# Altium PCB PCB_v2.PcbDoc (part 1 of 8) (continued)
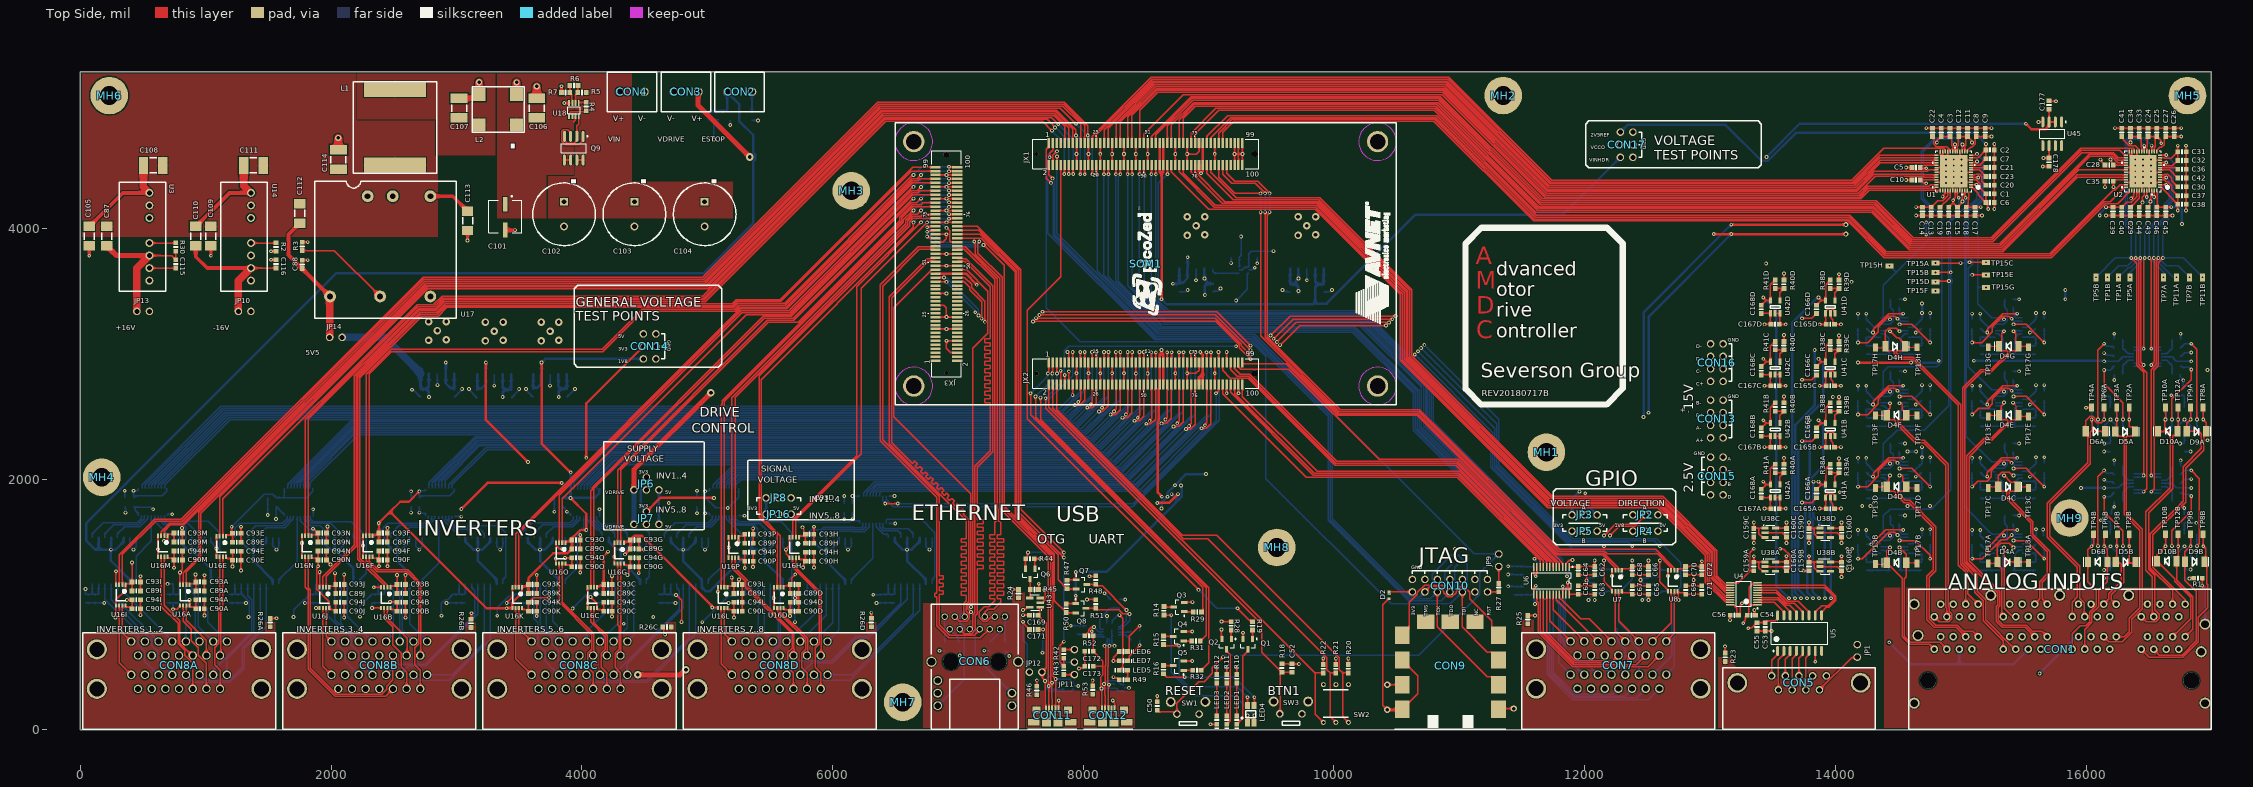
[diagram p0: Top Side view]
## Components (designator, comment, footprint, x,y, rotation, side; value= is the part's Value field where it differs from the comment) (continued)
C58 "Capacitor" 0603-CAP 7015,665.43 r90 bottom value=0.1uF
C59 "Capacitor" 0603-CAP 7255,665.43 r90 bottom value=0.1uF
C60 "Capacitor" 0603-CAP 7375,665.43 r90 bottom value=0.1uF
C61 "Capacitor" 0603-CAP 11950,1115 r90 top value=1uF
C62 "Capacitor" 0603-CAP 12080,1270 r270 top value=1uF
C63 "Capacitor" 0603-CAP 12080,1115 r90 top value=100nF
C64 "Capacitor" 0603-CAP 11950,1270 r270 top value=100nF
C65 "Capacitor" 0603-CAP 12510,1115 r90 top value=1uF
C66 "Capacitor" 0603-CAP 12510,1270 r270 top value=1uF
C67 "Capacitor" 0603-CAP 12380,1115 r90 top value=100nF
C68 "Capacitor" 0603-CAP 12380,1270 r270 top value=100nF
C69 "Capacitor" 0603-CAP 12805.59,1115 r90 top value=1uF
C70 "Capacitor" 0603-CAP 12805,1270 r270 top value=1uF
C71 "Capacitor" 0603-CAP 12935,1115 r90 top value=100nF
C72 "Capacitor" 0603-CAP 12935,1270 r270 top value=100nF
C73 "Capacitor" 0603-CAP 11515,1110 r90 bottom value=1uF
C74 "Capacitor" 0603-CAP 11515,1270 r270 bottom value=1uF
C75 "Capacitor" 0603-CAP 11440,1110 r90 bottom value=100nF
C76 "Capacitor" 0603-CAP 11440,1270 r270 bottom value=100nF
C77 "Capacitor" 0603-CAP 12155,1125 r90 bottom value=1uF
C78 "Capacitor" 0603-CAP 12155,1260 r270 bottom value=1uF
C79 "Capacitor" 0603-CAP 12085,1125 r90 bottom value=100nF
C80 "Capacitor" 0603-CAP 12085,1260 r270 bottom value=100nF
C81 "Capacitor" 0603-CAP 12520,1120 r90 bottom value=1uF
C82 "Capacitor" 0603-CAP 12600,1255 r270 bottom value=1uF
C83 "Capacitor" 0603-CAP 12600,1125 r90 bottom value=100nF
C84 "Capacitor" 0603-CAP 12520,1255 r270 bottom value=100nF
C85 "Capacitor" 0603-CAP 9353.11,3771.54 r0 bottom value=1uF
C86 "Capacitor" 0603-CAP 9213.11,3771.54 r180 bottom value=1uF
C87 "Capacitor" 1808-CAP 210,3938.53 r270 top value="1000pF, 2kV"
C88 "Capacitor" 0603-CAP 1768.28,3713.52 r270 top value=10uF
C89A "Capacitor" 0603-CAP 955,1108.33 r0 top (schematic designator C89)
C89B "Capacitor" 0603-CAP 2559.24,1088.33 r0 top (schematic designator C89)
C89C "Capacitor" 0603-CAP 4207.15,1088.33 r0 top (schematic designator C89)
C89D "Capacitor" 0603-CAP 5695,1088.33 r0 top (schematic designator C89)
C89E "Capacitor" 0603-CAP 1246.77,1496.23 r0 top (schematic designator C89)
C89F "Capacitor" 0603-CAP 2415,1498.33 r0 top (schematic designator C89)
C89G "Capacitor" 0603-CAP 4420.54,1443.33 r0 top (schematic designator C89)
C89H "Capacitor" 0603-CAP 5817.54,1487.89 r0 top (schematic designator C89)
C89I "Capacitor" 0603-CAP 445,1108.33 r0 top (schematic designator C89)
C89J "Capacitor" 0603-CAP 2070,1088.33 r0 top (schematic designator C89)
C89K "Capacitor" 0603-CAP 3607.07,1088.33 r0 top (schematic designator C89)
C89L "Capacitor" 0603-CAP 5246.68,1088.33 r0 top (schematic designator C89)
C89M "Capacitor" 0603-CAP 780,1498.33 r0 top (schematic designator C89)
C89N "Capacitor" 0603-CAP 1928.88,1498.33 r0 top (schematic designator C89)
C89O "Capacitor" 0603-CAP 3954.02,1443.33 r0 top (schematic designator C89)
C89P "Capacitor" 0603-CAP 5333.18,1487.89 r0 top (schematic designator C89)
C90A "Capacitor" 0603-CAP 955,965 r0 top (schematic designator C90)
C90B "Capacitor" 0603-CAP 2559.24,945 r0 top (schematic designator C90)
C90C "Capacitor" 0603-CAP 4207.15,945 r0 top (schematic designator C90)
C90D "Capacitor" 0603-CAP 5695,945 r0 top (schematic designator C90)
C90E "Capacitor" 0603-CAP 1246.77,1352.89 r0 top (schematic designator C90)
C90F "Capacitor" 0603-CAP 2415,1355 r0 top (schematic designator C90)
C90G "Capacitor" 0603-CAP 4420.54,1300 r0 top (schematic designator C90)
C90H "Capacitor" 0603-CAP 5817.54,1344.56 r0 top (schematic designator C90)
C90I "Capacitor" 0603-CAP 445,965 r0 top (schematic designator C90)
C90J "Capacitor" 0603-CAP 2070,945 r0 top (schematic designator C90)
C90K "Capacitor" 0603-CAP 3607.07,945 r0 top (schematic designator C90)
C90L "Capacitor" 0603-CAP 5246.68,945 r0 top (schematic designator C90)
C90M "Capacitor" 0603-CAP 780,1355 r0 top (schematic designator C90)
C90N "Capacitor" 0603-CAP 1928.88,1355 r0 top (schematic designator C90)
C90O "Capacitor" 0603-CAP 3954.02,1300 r0 top (schematic designator C90)
C90P "Capacitor" 0603-CAP 5333.18,1344.56 r0 top (schematic designator C90)
C91A "Capacitor" 0603-CAP 6124.98,1734.96 r180 bottom value=100nF (schematic designator C91)
C91B "Capacitor" 0603-CAP 4951.91,1782.6 r180 bottom value=100nF (schematic designator C91)
C91C "Capacitor" 0603-CAP 3813.84,1782.6 r180 bottom value=100nF (schematic designator C91)
C91D "Capacitor" 0603-CAP 2670.77,1782.6 r180 bottom value=100nF (schematic designator C91)
C91E "Capacitor" 0603-CAP 1527.7,1782.6 r180 bottom value=100nF (schematic designator C91)
C91F "Capacitor" 0603-CAP 389.63,1782.6 r180 bottom value=100nF (schematic designator C91)
C92A "Capacitor" 0603-CAP 6124.98,1804.96 r180 bottom value=100nF (schematic designator C92)
C92B "Capacitor" 0603-CAP 4951.91,1852.6 r180 bottom value=100nF (schematic designator C92)
C92C "Capacitor" 0603-CAP 3813.84,1852.6 r180 bottom value=100nF (schematic designator C92)
C92D "Capacitor" 0603-CAP 2670.77,1852.6 r180 bottom value=100nF (schematic designator C92)
C92E "Capacitor" 0603-CAP 1527.7,1852.6 r180 bottom value=100nF (schematic designator C92)
C92F "Capacitor" 0603-CAP 389.63,1852.6 r180 bottom value=100nF (schematic designator C92)
C93A "Capacitor" 0603-CAP 955,1180 r0 top (schematic designator C93)
C93B "Capacitor" 0603-CAP 2559.24,1160 r0 top (schematic designator C93)
C93C "Capacitor" 0603-CAP 4207.15,1160 r0 top (schematic designator C93)
C93D "Capacitor" 0603-CAP 5695,1160 r0 top (schematic designator C93)
C93E "Capacitor" 0603-CAP 1246.77,1567.89 r0 top (schematic designator C93)
C93F "Capacitor" 0603-CAP 2415,1570 r0 top (schematic designator C93)
C93G "Capacitor" 0603-CAP 4420.54,1515 r0 top (schematic designator C93)
C93H "Capacitor" 0603-CAP 5817.54,1559.56 r0 top (schematic designator C93)
C93I "Capacitor" 0603-CAP 445,1180 r0 top (schematic designator C93)
C93J "Capacitor" 0603-CAP 2070,1160 r0 top (schematic designator C93)
C93K "Capacitor" 0603-CAP 3607.07,1160 r0 top (schematic designator C93)
C93L "Capacitor" 0603-CAP 5246.68,1160 r0 top (schematic designator C93)
C93M "Capacitor" 0603-CAP 780,1570 r0 top (schematic designator C93)
C93N "Capacitor" 0603-CAP 1928.88,1570 r0 top (schematic designator C93)
C93O "Capacitor" 0603-CAP 3954.02,1515 r0 top (schematic designator C93)
C93P "Capacitor" 0603-CAP 5333.18,1559.56 r0 top (schematic designator C93)
C94A "Capacitor" 0603-CAP 955,1036.67 r0 top (schematic designator C94)
C94B "Capacitor" 0603-CAP 2559.24,1016.67 r0 top (schematic designator C94)
C94C "Capacitor" 0603-CAP 4207.15,1016.67 r0 top (schematic designator C94)
C94D "Capacitor" 0603-CAP 5695,1016.67 r0 top (schematic designator C94)
C94E "Capacitor" 0603-CAP 1246.77,1424.56 r0 top (schematic designator C94)
C94F "Capacitor" 0603-CAP 2415,1426.67 r0 top (schematic designator C94)
C94G "Capacitor" 0603-CAP 4420.54,1371.67 r0 top (schematic designator C94)
C94H "Capacitor" 0603-CAP 5817.54,1416.23 r0 top (schematic designator C94)
C94I "Capacitor" 0603-CAP 445,1036.67 r0 top (schematic designator C94)
C94J "Capacitor" 0603-CAP 2070,1016.67 r0 top (schematic designator C94)
C94K "Capacitor" 0603-CAP 3607.07,1016.67 r0 top (schematic designator C94)
C94L "Capacitor" 0603-CAP 5246.68,1016.67 r0 top (schematic designator C94)
C94M "Capacitor" 0603-CAP 780,1426.67 r0 top (schematic designator C94)
C94N "Capacitor" 0603-CAP 1928.88,1426.67 r0 top (schematic designator C94)
C94O "Capacitor" 0603-CAP 3954.02,1371.67 r0 top (schematic designator C94)
C94P "Capacitor" 0603-CAP 5333.18,1416.23 r0 top (schematic designator C94)
C95A "Capacitor" 0603-CAP 5748.31,1046.3 r270 bottom value=1uF (schematic designator C95)
C95B "Capacitor" 0603-CAP 4610,1046.3 r270 bottom value=1uF (schematic designator C95)
C95C "Capacitor" 0603-CAP 3470,1046.3 r270 bottom value=1uF (schematic designator C95)
C95D "Capacitor" 0603-CAP 2325.38,1046.3 r270 bottom value=1uF (schematic designator C95)
C95E "Capacitor" 0603-CAP 1184.02,1046.3 r270 bottom value=1uF (schematic designator C95)
C95F "Capacitor" 0603-CAP 40,1046.3 r270 bottom value=1uF (schematic designator C95)
C96A "Capacitor" 0603-CAP 6398.31,1046.3 r270 bottom value=1uF (schematic designator C96)
C96B "Capacitor" 0603-CAP 5243.26,1046.3 r270 bottom value=1uF (schematic designator C96)
C96C "Capacitor" 0603-CAP 4115.67,1046.3 r270 bottom value=1uF (schematic designator C96)
C96D "Capacitor" 0603-CAP 2970,1046.3 r270 bottom value=1uF (schematic designator C96)
C96E "Capacitor" 0603-CAP 1830.67,1046.3 r270 bottom value=1uF (schematic designator C96)
C96F "Capacitor" 0603-CAP 690,1046.3 r270 bottom value=1uF (schematic designator C96)
C97A "Capacitor" 0603-CAP 5799.98,1046.3 r270 bottom value=100nF (schematic designator C97)
C97B "Capacitor" 0603-CAP 4658.45,1046.3 r270 bottom value=100nF (schematic designator C97)
C97C "Capacitor" 0603-CAP 3516.91,1046.3 r270 bottom value=100nF (schematic designator C97)
C97D "Capacitor" 0603-CAP 2375.38,1046.3 r270 bottom value=100nF (schematic designator C97)
C97E "Capacitor" 0603-CAP 1232.7,1046.3 r270 bottom value=100nF (schematic designator C97)
C97F "Capacitor" 0603-CAP 140,1046.3 r270 bottom value=100nF (schematic designator C97)
C98A "Capacitor" 0603-CAP 6444.98,1046.3 r270 bottom value=100nF (schematic designator C98)
C98B "Capacitor" 0603-CAP 5298.26,1046.3 r270 bottom value=100nF (schematic designator C98)
C98C "Capacitor" 0603-CAP 4163.84,1046.3 r270 bottom value=100nF (schematic designator C98)
C98D "Capacitor" 0603-CAP 3020.38,1046.3 r270 bottom value=100nF (schematic designator C98)
C98E "Capacitor" 0603-CAP 1877.7,1046.3 r270 bottom value=100nF (schematic designator C98)
C98F "Capacitor" 0603-CAP 738.31,1046.3 r270 bottom value=100nF (schematic designator C98)
C99A "Capacitor" 0603-CAP 5849.98,1046.3 r270 bottom value=100nF (schematic designator C99)
C99B "Capacitor" 0603-CAP 4708.45,1046.3 r270 bottom value=100nF (schematic designator C99)
C99C "Capacitor" 0603-CAP 3566.91,1046.3 r270 bottom value=100nF (schematic designator C99)
C99D "Capacitor" 0603-CAP 2425.38,1046.3 r270 bottom value=100nF (schematic designator C99)
C99E "Capacitor" 0603-CAP 1282.7,1046.3 r270 bottom value=100nF (schematic designator C99)
C99F "Capacitor" 0603-CAP 90,1046.3 r270 bottom value=100nF (schematic designator C99)
C100A "Capacitor" 0603-CAP 6494.98,1046.3 r270 bottom value=100nF (schematic designator C100)
C100B "Capacitor" 0603-CAP 5353.26,1046.3 r270 bottom value=100nF (schematic designator C100)
C100C "Capacitor" 0603-CAP 4213.84,1046.3 r270 bottom value=100nF (schematic designator C100)
C100D "Capacitor" 0603-CAP 3070,1046.3 r270 bottom value=100nF (schematic designator C100)
C100E "Capacitor" 0603-CAP 1927.7,1046.3 r270 bottom value=100nF (schematic designator C100)
C100F "Capacitor" 0603-CAP 790,1046.3 r270 bottom value=100nF (schematic designator C100)
C101 "Cap Pol1" "CAP - UWT1V101MCL1GS" 3518.85,4226.17 r270 top
C102 "Cap Pol1" "CAP - UVR1H102MHD1TO" 3857.67,4213.07 r270 top
C103 "Cap Pol1" "CAP - UVR1H102MHD1TO" 4418.81,4213.07 r270 top
C104 "Cap Pol1" "CAP - UVR1H102MHD1TO" 4979.96,4213.07 r270 top
C105 "Capacitor" 1808-CAP 70,3938.53 r270 top value="1000pF, 2kV"
C106 "Capacitor" 1812-CAP 3640,4960.47 r270 top value="6.8uF, 50V"
C107 "Capacitor" 1812-CAP 3020.38,4960.47 r270 top value="6.8uF, 50V"
C108 "Capacitor" 1812-CAP 580,4502.65 r0 top value="6.8uF, 50V"
C109 "Capacitor" 1808-CAP 1040,3938.53 r270 top value="1000pF, 2kV"
C110 "Capacitor" 1808-CAP 920,3938.53 r270 top value="1000pF, 2kV"
C111 "Capacitor" 1812-CAP 1380,4502.65 r0 top value="6.8uF, 50V"
C112 "Capacitor" 1808-CAP 1750,4120 r270 top value="1000pF, 2kV"
C113 "Capacitor" 1808-CAP 3088.08,4061.28 r270 top value="1000pF, 2kV"
C114 "Capacitor" 1812-CAP 2056.83,4549.52 r270 top value="6.8uF, 50V"
C115 "Capacitor" 0603-CAP 760,3717.28 r90 top value=10uF
C116 "Capacitor" 0603-CAP 1560,3717.28 r90 top value=10uF
C157A "Capacitor" 0603-CAP 3880,2686.53 r270 bottom value=10uF (schematic designator C157)
C157B "Capacitor" 0603-CAP 9034.02,3525 r270 bottom value=10uF (schematic designator C157)
C158A "Capacitor" 0603-CAP 3611.97,2686.53 r270 bottom value=10uF (schematic designator C158)
C158B "Capacitor" 0603-CAP 8766.02,3525 r270 bottom value=10uF (schematic designator C158)
C159A "Capacitor" 0603-CAP 13350,1302.4 r270 top value=1uF (schematic designator C159)
C159B "Capacitor" 0603-CAP 13790,1302.4 r270 top value=1uF (schematic designator C159)
C159C "Capacitor" 0603-CAP 13350,1572.4 r270 top value=1uF (schematic designator C159)
C159D "Capacitor" 0603-CAP 13790,1572.4 r270 top value=1uF (schematic designator C159)
C160A "Capacitor" 0603-CAP 13610,1302.4 r270 top value=1uF (schematic designator C160)
C160B "Capacitor" 0603-CAP 14050,1302.4 r270 top value=1uF (schematic designator C160)
C160C "Capacitor" 0603-CAP 13610,1572.4 r270 top value=1uF (schematic designator C160)
C160D "Capacitor" 0603-CAP 14050,1572.4 r270 top value=1uF (schematic designator C160)
C161 "Capacitor" 0603-CAP 3435,2680 r270 bottom value=10uF
C162 "Capacitor" 0603-CAP 3167,2680 r270 bottom value=10uF
C163A "Capacitor" 0603-CAP 2713.41,2685 r270 bottom value=10uF (schematic designator C163)
C163B "Capacitor" 0603-CAP 9649.88,3521.54 r270 bottom value=10uF (schematic designator C163)
C164A "Capacitor" 0603-CAP 2981.41,2685 r270 bottom value=10uF (schematic designator C164)
C164B "Capacitor" 0603-CAP 9917.88,3521.54 r270 bottom value=10uF (schematic designator C164)
C165A "Capacitor" 0603-CAP 13960,1765 r180 top value=2.2uF (schematic designator C165)
C165B "Capacitor" 0603-CAP 13960,2255 r180 top value=2.2uF (schematic designator C165)
C165C "Capacitor" 0603-CAP 13960,2745 r180 top value=2.2uF (schematic designator C165)
C165D "Capacitor" 0603-CAP 13960,3235 r180 top value=2.2uF (schematic designator C165)
C166A "Capacitor" 0603-CAP 13850,1885 r90 top value=2.2uF (schematic designator C166)
C166B "Capacitor" 0603-CAP 13850,2375 r90 top value=2.2uF (schematic designator C166)
C166C "Capacitor" 0603-CAP 13850,2865 r90 top value=2.2uF (schematic designator C166)
C166D "Capacitor" 0603-CAP 13850,3355 r90 top value=2.2uF (schematic designator C166)
C167A "Capacitor" 0603-CAP 13520,1765 r180 top value=2.2uF (schematic designator C167)
C167B "Capacitor" 0603-CAP 13520,2255 r180 top value=2.2uF (schematic designator C167)
C167C "Capacitor" 0603-CAP 13520,2745 r180 top value=2.2uF (schematic designator C167)
C167D "Capacitor" 0603-CAP 13520,3235 r180 top value=2.2uF (schematic designator C167)
C168A "Capacitor" 0603-CAP 13410,1885 r270 top value=2.2uF (schematic designator C168)
C168B "Capacitor" 0603-CAP 13410,2375 r270 top value=2.2uF (schematic designator C168)
C168C "Capacitor" 0603-CAP 13410,2865 r270 top value=2.2uF (schematic designator C168)
C168D "Capacitor" 0603-CAP 13410,3355 r270 top value=2.2uF (schematic designator C168)
C169 "Capacitor" 0603-CAP 7605,915 r0 top value=2.2uF
C170 "Capacitor" 1812-CAP 7597.52,715 r180 bottom value=100uF
C171 "Capacitor" 0603-CAP 7605,800 r180 top value=22uF
C172 "Capacitor" 0603-CAP 8046.26,626.57 r180 top value=0.1uF
C173 "Capacitor" 0603-CAP 8046.26,506.57 r180 top value=2.2uF
C174 "Capacitor" 0603-CAP 8025,795 r270 bottom value=0.1uF
C175 "Capacitor" 0603-CAP 7950,795 r270 bottom value=2.2uF
C176 "Capacitor" 0603-CAP 8220,1005 r270 bottom value=0.1uF
C177 "Capacitor" 0603-CAP 15705,4985 r90 top value=1uF
C178 "Capacitor" 0603-CAP 15705,4528.46 r270 top value=2.2uF
C179A "Capacitor" 0603-CAP 16195,2695 r90 bottom value=1uF (schematic designator C179)
C179B "Capacitor" 0603-CAP 16195,1685 r90 bottom value=1uF (schematic designator C179)
C180A "Capacitor" 0603-CAP 16195,2250 r270 bottom value=1uF (schematic designator C180)
C180B "Capacitor" 0603-CAP 16195,1240 r270 bottom value=1uF (schematic designator C180)
C181A "Capacitor" 0603-CAP 16260,2835 r0 bottom (schematic designator C181)
C181B "Capacitor" 0603-CAP 16260,1825 r0 bottom (schematic designator C181)
C182A "Capacitor" 0603-CAP 16260,3115 r180 bottom (schematic designator C182)
C182B "Capacitor" 0603-CAP 16260,2105 r180 bottom (schematic designator C182)
C183A "Capacitor" 0603-CAP 16785,2693.46 r90 bottom value=1uF (schematic designator C183)
C183B "Capacitor" 0603-CAP 16785,1683.46 r90 bottom value=1uF (schematic designator C183)
C184A "Capacitor" 0603-CAP 16785,2255 r270 bottom value=1uF (schematic designator C184)
C184B "Capacitor" 0603-CAP 16785,1245 r270 bottom value=1uF (schematic designator C184)
C185A "Capacitor" 0603-CAP 16720,3115 r180 bottom (schematic designator C185)
C185B "Capacitor" 0603-CAP 16720,2105 r180 bottom (schematic designator C185)
C186A "Capacitor" 0603-CAP 16720,2835 r0 bottom (schematic designator C186)
C186B "Capacitor" 0603-CAP 16720,1825 r0 bottom (schematic designator C186)
C187A "Capacitor" 0603-CAP 16260,2975 r180 bottom value=1uF (schematic designator C187)
C187B "Capacitor" 0603-CAP 16260,1965 r180 bottom value=1uF (schematic designator C187)
C188A "Capacitor" 0603-CAP 16720,2975 r0 bottom value=1uF (schematic designator C188)
C188B "Capacitor" 0603-CAP 16720,1965 r0 bottom value=1uF (schematic designator C188)
C189A "Capacitor" 0603-CAP 15123.17,1550 r180 bottom value=1uF (schematic designator C189)
C189B "Capacitor" 0603-CAP 14213.17,1550 r180 bottom value=1uF (schematic designator C189)
C189C "Capacitor" 0603-CAP 15123.17,2125 r180 bottom value=1uF (schematic designator C189)
C189D "Capacitor" 0603-CAP 14213.17,2125 r180 bottom value=1uF (schematic designator C189)
C189E "Capacitor" 0603-CAP 15123.17,2700 r180 bottom value=1uF (schematic designator C189)
C189F "Capacitor" 0603-CAP 14213.17,2700 r180 bottom value=1uF (schematic designator C189)
C189G "Capacitor" 0603-CAP 15123.17,3275 r180 bottom value=1uF (schematic designator C189)
C189H "Capacitor" 0603-CAP 14213.17,3275 r180 bottom value=1uF (schematic designator C189)
C190A "Capacitor" 0603-CAP 15633.17,1550 r0 bottom value=1uF (schematic designator C190)
C190B "Capacitor" 0603-CAP 14723.17,1550 r0 bottom value=1uF (schematic designator C190)
C190C "Capacitor" 0603-CAP 15633.17,2125 r0 bottom value=1uF (schematic designator C190)
C190D "Capacitor" 0603-CAP 14723.17,2125 r0 bottom value=1uF (schematic designator C190)
C190E "Capacitor" 0603-CAP 15633.17,2700 r0 bottom value=1uF (schematic designator C190)
C190F "Capacitor" 0603-CAP 14723.17,2700 r0 bottom value=1uF (schematic designator C190)
C190G "Capacitor" 0603-CAP 15633.17,3275 r0 bottom value=1uF (schematic designator C190)
C190H "Capacitor" 0603-CAP 14723.17,3275 r0 bottom value=1uF (schematic designator C190)
CON1 "5569257-1" 5569257-1 14588.16,10 r0 top
CON2 "ScrewTerminal_1x2" 1935161 5258.43,5090 r0 top
CON3 "ScrewTerminal_1x2" 1935161 4830,5090 r180 top
CON4 "ScrewTerminal_1x2" 1935161 4400,5090 r0 top
CON5 "A-DF 09 A/KG-T2S" "A-DF 09 A/KG-T2S" 13710,375 r0 top
CON6 "L829-1J1T-43" L829-1J1T-43 7135,803.03 r180 top
CON7 "178-015-513R571" 178-015-513R571 12269.5,706 r0 top
CON8A "178-015-513R571" 178-015-513R571 786.5,705 r0 top (schematic designator CON8)
CON8B "178-015-513R571" 178-015-513R571 2383.83,705 r0 top (schematic designator CON8)
CON8C "178-015-513R571" 178-015-513R571 3981.17,705 r0 top (schematic designator CON8)
CON8D "178-015-513R571" 178-015-513R571 5578.5,705 r0 top (schematic designator CON8)
CON9 "JTAG-SMT2" JTAG-SMT2 11312.72,458.43 r90 top
CON10 "JTAG" PIN_HEADER_2x7 10925,1200 r0 top
CON11 "1981584-1" 1981584-1 7752.36,167.4 r0 top
CON12 "1981584-1" 1981584-1 8199.72,167.4 r0 top
CON13 "PIN_2x4" PIN_HEADER_2x4 13055,2480 r90 top
CON14 "PIN_2x3" PIN_HEADER_2x3 4540,3059.17 r90 top
CON15 "PIN_2x4" PIN_HEADER_2x4 13055,2025 r270 top
CON16 "PIN_2x4" PIN_HEADER_2x4 13055,2930 r90 top
CON17 "PIN_2x3" PIN_HEADER_2x3 12335,4667.77 r90 top
D1 "SP1001-04JTG" SC70-5 5184,4900 r180 bottom
D2 "RB521" SOD-523 10440,1075 r90 top
D3 "SP1001-04JTG" SC70-5 10964.18,1360 r0 bottom
D4A "TVS SMAJ22CA" SMA 15375.27,1339 r0 top (schematic designator D4)
D4B "TVS SMAJ22CA" SMA 14485,1332.35 r180 top (schematic designator D4)
D4C "TVS SMAJ22CA" SMA 15380,1940 r0 top (schematic designator D4)
D4D "TVS SMAJ22CA" SMA 14485,1940 r180 top (schematic designator D4)
D4E "TVS SMAJ22CA" SMA 15380,2510 r180 top (schematic designator D4)
D4F "TVS SMAJ22CA" SMA 14485,2510 r180 top (schematic designator D4)
D4G "TVS SMAJ22CA" SMA 15380,3060 r180 top (schematic designator D4)
D4H "TVS SMAJ22CA" SMA 14480.27,3060 r0 top (schematic designator D4)
D5A "TVS SMAJ22CA" SMA 16315,2380 r0 top (schematic designator D5)
D5B "TVS SMAJ22CA" SMA 16319,1339 r0 top (schematic designator D5)
D6A "TVS SMAJ22CA" SMA 16079.29,2381.72 r0 top (schematic designator D6)
D6B "TVS SMAJ22CA" SMA 16090,1339 r180 top (schematic designator D6)
D7 "SP1001-04JTG" SC70-5 7885,350 r270 bottom
D8 "SP1001-04JTG" SC70-5 8290,335 r270 bottom
D9A "TVS SMAJ22CA" SMA 16885,2381.72 r0 top (schematic designator D9)
D9B "TVS SMAJ22CA" SMA 16870,1342 r0 top (schematic designator D9)
D10A "TVS SMAJ22CA" SMA 16649.29,2381.72 r180 top (schematic designator D10)
D10B "TVS SMAJ22CA" SMA 16641.54,1344.56 r180 top (schematic designator D10)
JP1 "Jumper2" PIN_HEADER_1x2 14175,630 r270 top
JP2 "Jumper3" PIN_HEADER_1X3 12485,1715 r180 top
JP3 "Jumper3" PIN_HEADER_1X3 12000,1715 r0 top
JP4 "Jumper3" PIN_HEADER_1X3 12485,1585 r180 top
JP5 "Jumper3" PIN_HEADER_1X3 12000,1585 r0 top
JP6 "Jumper4T" PIN_HEADER_1X3T 4515,1914.99 r0 top
JP7 "Jumper4T" PIN_HEADER_1X3T 4515,1640 r0 top
JP8 "Jumper3" PIN_HEADER_1X3 5569.83,1850 r0 top
JP9 "Jumper2" PIN_HEADER_1x2 11315,1352.89 r270 top
JP10 "Jumper2" PIN_HEADER_1x2 1310,3338.53 r0 top
JP11 "Jumper3" PIN_HEADER_1X3 7930,540 r270 top
JP12 "Jumper2" PIN_HEADER_1x2 7620,460 r180 top
JP13 "Jumper2" PIN_HEADER_1x2 500,3338.53 r180 top
JP14 "Jumper2" PIN_HEADER_1x2 2037.7,3131.37 r180 top
JP16 "Jumper3" PIN_HEADER_1X3 5570,1720 r0 top
L1 "IND SRP1770TA-101M" "IND - SRP1770TA-101M" 2510,5110 r270 top
L2 "CMC  744273801" "CMC 744273801" 3479.21,4825.9 r180 top
LED1 "LED" 0603-LED 9225,77.6 r90 top value=YELLOW
LED2 "LED" 0603-LED 9145,77.6 r90 top value=RED
LED3 "LED" 0603-LED 9065,77.6 r90 top value=GREEN
LED4 "LED_RGB_CA" 1210-LED-RGB-CA 9336.34,125 r180 top
LED5 "LED" 0603-LED 8320,475 r0 top value=YELLOW
LED6 "LED" 0603-LED 8320,625 r180 top value=GREEN
LED7 "LED" 0603-LED 8320,550 r180 top value=BLUE
MH1 "MOUNT_HOLE" MOUNTING_HOLE 11695,2215 r0 top
MH2 "MOUNT_HOLE" MOUNTING_HOLE 11350,5060 r0 top
MH3 "MOUNT_HOLE" MOUNTING_HOLE 6150,4300 r0 top
MH4 "MOUNT_HOLE" MOUNTING_HOLE 170,2014.99 r0 top
MH5 "MOUNT_HOLE" MOUNTING_HOLE 16810,5060 r0 top
MH6 "MOUNT_HOLE" MOUNTING_HOLE 230,5060 r0 top
MH7 "MOUNT_HOLE" MOUNTING_HOLE 6560,220 r0 top
MH8 "MOUNT_HOLE" MOUNTING_HOLE 9544.54,1455 r0 top
MH9 "MOUNT_HOLE" MOUNTING_HOLE 15870,1690 r0 top
Q1 "MOSFET" SOT95P250-3N 9313.74,683.66 r270 top
Q2 "MOSFET" SOT95P250-3N 9143.74,683.66 r270 top
Q3 "MOSFET" SOT95P250-3N 8763.62,979.8 r180 top
Q4 "MOSFET" SOT95P250-3N 8759.26,745.82 r180 top
Q5 "MOSFET" SOT95P250-3N 8759.26,512.4 r180 top
Q6 "MOSFET" SOT95P250-3N 7576.54,1245 r270 top
Q7 "MOSFET" SOT95P250-3N 7985,1160 r0 top
Q8 "MOSFET" SOT95P250-3N 7980,970 r0 top
Q9 "Si4946" SO8_N 3935.67,4640.12 r270 top
R1 "Resistor" 0603-RES 16893.46,1210 r0 top value=0
R2 "Resistor" 0603-RES 1560,3851.99 r90 top
R2A "Resistor" 0603-RES 15123.17,1410 r180 bottom (schematic designator R2)
R2B "Resistor" 0603-RES 14213.17,1410 r180 bottom (schematic designator R2)
R2C "Resistor" 0603-RES 15123.17,1985 r180 bottom (schematic designator R2)
R2D "Resistor" 0603-RES 14213.17,1985 r180 bottom (schematic designator R2)
R2E "Resistor" 0603-RES 15123.17,2560 r180 bottom (schematic designator R2)
R2F "Resistor" 0603-RES 14213.17,2560 r180 bottom (schematic designator R2)
R2G "Resistor" 0603-RES 15123.17,3135 r180 bottom (schematic designator R2)
R2H "Resistor" 0603-RES 14213.17,3135 r180 bottom (schematic designator R2)
R3 "Resistor" 0603-RES 1768.28,3857.07 r270 top
R3A "Resistor" 0603-RES 15123.17,1480 r0 bottom (schematic designator R3)
R3B "Resistor" 0603-RES 14213.17,1480 r0 bottom (schematic designator R3)
R3C "Resistor" 0603-RES 15123.17,2055 r0 bottom (schematic designator R3)
R3D "Resistor" 0603-RES 14213.17,2055 r0 bottom (schematic designator R3)
R3E "Resistor" 0603-RES 15123.17,2630 r0 bottom (schematic designator R3)
R3F "Resistor" 0603-RES 14213.17,2630 r0 bottom (schematic designator R3)
R3G "Resistor" 0603-RES 15123.17,3205 r0 bottom (schematic designator R3)
R3H "Resistor" 0603-RES 14213.17,3205 r0 bottom (schematic designator R3)
R4 "Res" 0603-RES 4034.81,4972.48 r90 top
R4A "Resistor" 0603-RES 15156.63,1305 r90 bottom (schematic designator R4)
R4B "Resistor" 0603-RES 14246.63,1305 r90 bottom (schematic designator R4)
R4C "Resistor" 0603-RES 15156.63,1880 r90 bottom (schematic designator R4)
R4D "Resistor" 0603-RES 14246.63,1880 r90 bottom (schematic designator R4)
R4E "Resistor" 0603-RES 15156.63,2455 r90 bottom (schematic designator R4)
R4F "Resistor" 0603-RES 14246.63,2455 r90 bottom (schematic designator R4)
R4G "Resistor" 0603-RES 15156.63,3030 r90 bottom (schematic designator R4)
R4H "Resistor" 0603-RES 14246.63,3030 r90 bottom (schematic designator R4)
R5 "Res" 0603-RES 4001.34,5085.12 r0 top
R5A "Resistor" 0603-RES 15383.17,1645 r180 bottom (schematic designator R5)
R5B "Resistor" 0603-RES 14473.17,1645 r180 bottom (schematic designator R5)
R5C "Resistor" 0603-RES 15383.17,2220 r180 bottom (schematic designator R5)
R5D "Resistor" 0603-RES 14473.17,2220 r180 bottom (schematic designator R5)
R5E "Resistor" 0603-RES 15383.17,2795 r180 bottom (schematic designator R5)
R5F "Resistor" 0603-RES 14473.17,2795 r180 bottom (schematic designator R5)
R5G "Resistor" 0603-RES 15383.17,3370 r180 bottom (schematic designator R5)
R5H "Resistor" 0603-RES 14473.17,3370 r180 bottom (schematic designator R5)
R6 "Res" 0603-RES 3936.04,5140.12 r0 top
R6A "Resistor" 0603-RES 15383.17,1270 r180 bottom (schematic designator R6)
R6B "Resistor" 0603-RES 14473.17,1270 r180 bottom (schematic designator R6)
R6C "Resistor" 0603-RES 15383.17,1845 r180 bottom (schematic designator R6)
R6D "Resistor" 0603-RES 14473.17,1845 r180 bottom (schematic designator R6)
R6E "Resistor" 0603-RES 15383.17,2420 r180 bottom (schematic designator R6)
R6F "Resistor" 0603-RES 14473.17,2420 r180 bottom (schematic designator R6)
R6G "Resistor" 0603-RES 15383.17,2995 r180 bottom (schematic designator R6)
R6H "Resistor" 0603-RES 14473.17,2995 r180 bottom (schematic designator R6)
R7 "Res" 0603-RES 3870.89,5085.12 r0 top
R7A "Resistor" 0603-RES 15526.63,1305 r90 bottom (schematic designator R7)
R7B "Resistor" 0603-RES 14616.63,1305 r90 bottom (schematic designator R7)
R7C "Resistor" 0603-RES 15526.63,1880 r90 bottom (schematic designator R7)
R7D "Resistor" 0603-RES 14616.63,1880 r90 bottom (schematic designator R7)
R7E "Resistor" 0603-RES 15526.63,2455 r90 bottom (schematic designator R7)
R7F "Resistor" 0603-RES 14616.63,2455 r90 bottom (schematic designator R7)
R7G "Resistor" 0603-RES 15526.63,3030 r90 bottom (schematic designator R7)
R7H "Resistor" 0603-RES 14616.63,3030 r90 bottom (schematic designator R7)
R8A "Resistor" 0603-RES 15633.17,1410 r0 bottom (schematic designator R8)
R8B "Resistor" 0603-RES 14723.17,1410 r0 bottom (schematic designator R8)
R8C "Resistor" 0603-RES 15633.17,1985 r0 bottom (schematic designator R8)
R8D "Resistor" 0603-RES 14723.17,1985 r0 bottom (schematic designator R8)
R8E "Resistor" 0603-RES 15633.17,2560 r0 bottom (schematic designator R8)
R8F "Resistor" 0603-RES 14723.17,2560 r0 bottom (schematic designator R8)
R8G "Resistor" 0603-RES 15633.17,3135 r0 bottom (schematic designator R8)
R8H "Resistor" 0603-RES 14723.17,3135 r0 bottom (schematic designator R8)
R9A "Resistor" 0603-RES 15633.17,1480 r180 bottom (schematic designator R9)
R9B "Resistor" 0603-RES 14723.17,1480 r180 bottom (schematic designator R9)
R9C "Resistor" 0603-RES 15633.17,2055 r180 bottom (schematic designator R9)
R9D "Resistor" 0603-RES 14723.17,2055 r180 bottom (schematic designator R9)
R9E "Resistor" 0603-RES 15633.17,2630 r180 bottom (schematic designator R9)
R9F "Resistor" 0603-RES 14723.17,2630 r180 bottom (schematic designator R9)
R9G "Resistor" 0603-RES 15633.17,3205 r180 bottom (schematic designator R9)
R9H "Resistor" 0603-RES 14723.17,3205 r180 bottom (schematic designator R9)
R10 "Resistor" 0603-RES 9225,407.6 r90 top value=240
R11 "Resistor" 0603-RES 9145,407.6 r90 top value=240
R12 "Resistor" 0603-RES 9065,407.6 r90 top
R13 "Resistor" 0603-RES 5356.85,4896.54 r90 bottom value=100
R14 "Resistor" 0603-RES 8643.62,949.8 r270 top value=240
R15 "Resistor" 0603-RES 8640.6,714.8 r270 top value=240
R16 "Resistor" 0603-RES 8640.6,479.8 r270 top value=240
R17 "Resistor" 0603-RES 5014,4900 r90 bottom value=10k
R18 "Resistor" 0603-RES 9585,492.6 r270 top value=10k
R19 "Resistor" 0603-RES 9350,830 r90 top value=100
R20 "Resistor" 0603-RES 10115,487.6 r270 top value=10k
R21 "Resistor" 0603-RES 10015,487.6 r270 top value=10k
R22 "Resistor" 0603-RES 9915,487.6 r270 top value=10k
R23 "Resistor" 0603-RES 13120.87,579.05 r90 top value=0
R24 "Resistor" 0603-RES 7483.7,1086.77 r270 top value=0
R25 "Resistor" 0603-RES 11547.37,879.38 r90 top value=0
R26A "Resistor" 0603-RES 1514.76,855.12 r270 top (schematic designator R26)
R26B "Resistor" 0603-RES 3115.03,850 r270 top (schematic designator R26)
R26C "Resistor" 0603-RES 4678.46,820 r0 top (schematic designator R26)
R26D "Resistor" 0603-RES 6310,855.82 r270 top (schematic designator R26)
R27 "Resistor" 0603-RES 11315,1134.25 r270 top value=100
R28 "Resistor" 0603-RES 9179.65,830 r90 top value=100
R29 "Resistor" 0603-RES 8910,940.36 r0 top value=100
R30 "Resistor" 0603-RES 760.71,3851.99 r90 top
R31 "Resistor" 0603-RES 8899.62,708.22 r0 top value=100
R32 "Resistor" 0603-RES 8906.34,475 r0 top value=100
R38A "Resistor" 0603-RES 13960,2085 r90 top (schematic designator R38)
R38B "Resistor" 0603-RES 13960,2575 r90 top (schematic designator R38)
R38C "Resistor" 0603-RES 13960,3065 r90 top (schematic designator R38)
R38D "Resistor" 0603-RES 13960,3555 r90 top (schematic designator R38)
R39A "Resistor" 0603-RES 14030,2085 r270 top value=10k (schematic designator R39)
R39B "Resistor" 0603-RES 14030,2575 r270 top value=10k (schematic designator R39)
R39C "Resistor" 0603-RES 14030,3065 r270 top value=10k (schematic designator R39)
R39D "Resistor" 0603-RES 14030,3555 r270 top value=10k (schematic designator R39)
R40A "Resistor" 0603-RES 13590,2085 r90 top (schematic designator R40)
R40B "Resistor" 0603-RES 13590,2575 r90 top (schematic designator R40)
R40C "Resistor" 0603-RES 13590,3065 r90 top (schematic designator R40)
R40D "Resistor" 0603-RES 13590,3555 r90 top (schematic designator R40)
R41A "Resistor" 0603-RES 13520,2085 r270 top (schematic designator R41)
R41B "Resistor" 0603-RES 13520,2575 r270 top (schematic designator R41)
R41C "Resistor" 0603-RES 13520,3065 r270 top (schematic designator R41)
R41D "Resistor" 0603-RES 13520,3555 r270 top (schematic designator R41)
R42 "Resistor" 0603-RES 7845,605 r90 top value=1k
R43 "Resistor" 0603-RES 7845,475 r270 top value=10k
R44 "Resistor" 0603-RES 7575,1365 r0 top value=10k
R45 "Resistor" 0603-RES 7610,1120 r0 top value=10k
R46 "Resistor" 0603-RES 7630,313.03 r90 top value=0
R47 "Resistor" 0603-RES 7870,1160 r90 top value=10k
R48 "Resistor" 0603-RES 8100,1195 r90 top value=10k
R49 "Resistor" 0603-RES 8320,400 r180 top
R50 "Resistor" 0603-RES 7865,970 r90 top value=10k
R51 "Resistor" 0603-RES 8098.75,1005 r90 top value=10k
R52 "Resistor" 0603-RES 8045,750 r0 top value=100
R53 "Resistor" 0603-RES 8076.26,316.57 r90 top value=0
R54 "Resistor" 0603-RES 8415,790 r180 bottom value=330
R55 "Resistor" 0603-RES 8415,715 r180 bottom value=330
R56 "Resistor" 0603-RES 8290,1005 r270 bottom value=5.1k
R57A "Resistor" 0603-RES 16260,2905 r0 bottom (schematic designator R57)
R57B "Resistor" 0603-RES 16260,1895 r0 bottom (schematic designator R57)
R58A "Resistor" 0603-RES 16260,3045 r0 bottom (schematic designator R58)
R58B "Resistor" 0603-RES 16260,2035 r0 bottom (schematic designator R58)
R59A "Resistor" 0603-RES 16720,3045 r180 bottom (schematic designator R59)
R59B "Resistor" 0603-RES 16720,2035 r180 bottom (schematic designator R59)
R60A "Resistor" 0603-RES 16720,2905 r180 bottom (schematic designator R60)
R60B "Resistor" 0603-RES 16720,1895 r180 bottom (schematic designator R60)
SOM1 "PicoZed" PicoZedSOM 10498.31,2592.89 r90 top locked
SW1 "1825027-5" 1825027-5 8836.34,125 r0 top
SW2 "194-3MST" 194-3MST 10015,60 r0 top
SW3 "1825027-5" 1825027-5 9656.42,127.6 r0 top
TP1A "Test Point" RCU-0C 16260,3610 r180 top (schematic designator TP1)
TP1B "Test Point" RCU-0C 16170,3610 r180 top (schematic designator TP1)
TP2A "Test Point" RCU-0C 16345,2570 r180 top (schematic designator TP2)
TP2B "Test Point" RCU-0C 16345,1560 r180 top (schematic designator TP2)
TP3A "Test Point" RCU-0C 16245,2570 r180 top (schematic designator TP3)
TP3B "Test Point" RCU-0C 16250,1560 r180 top (schematic designator TP3)